# EAGLE board working (EAGLE 6.6.0), part 2 of 2 (continued)
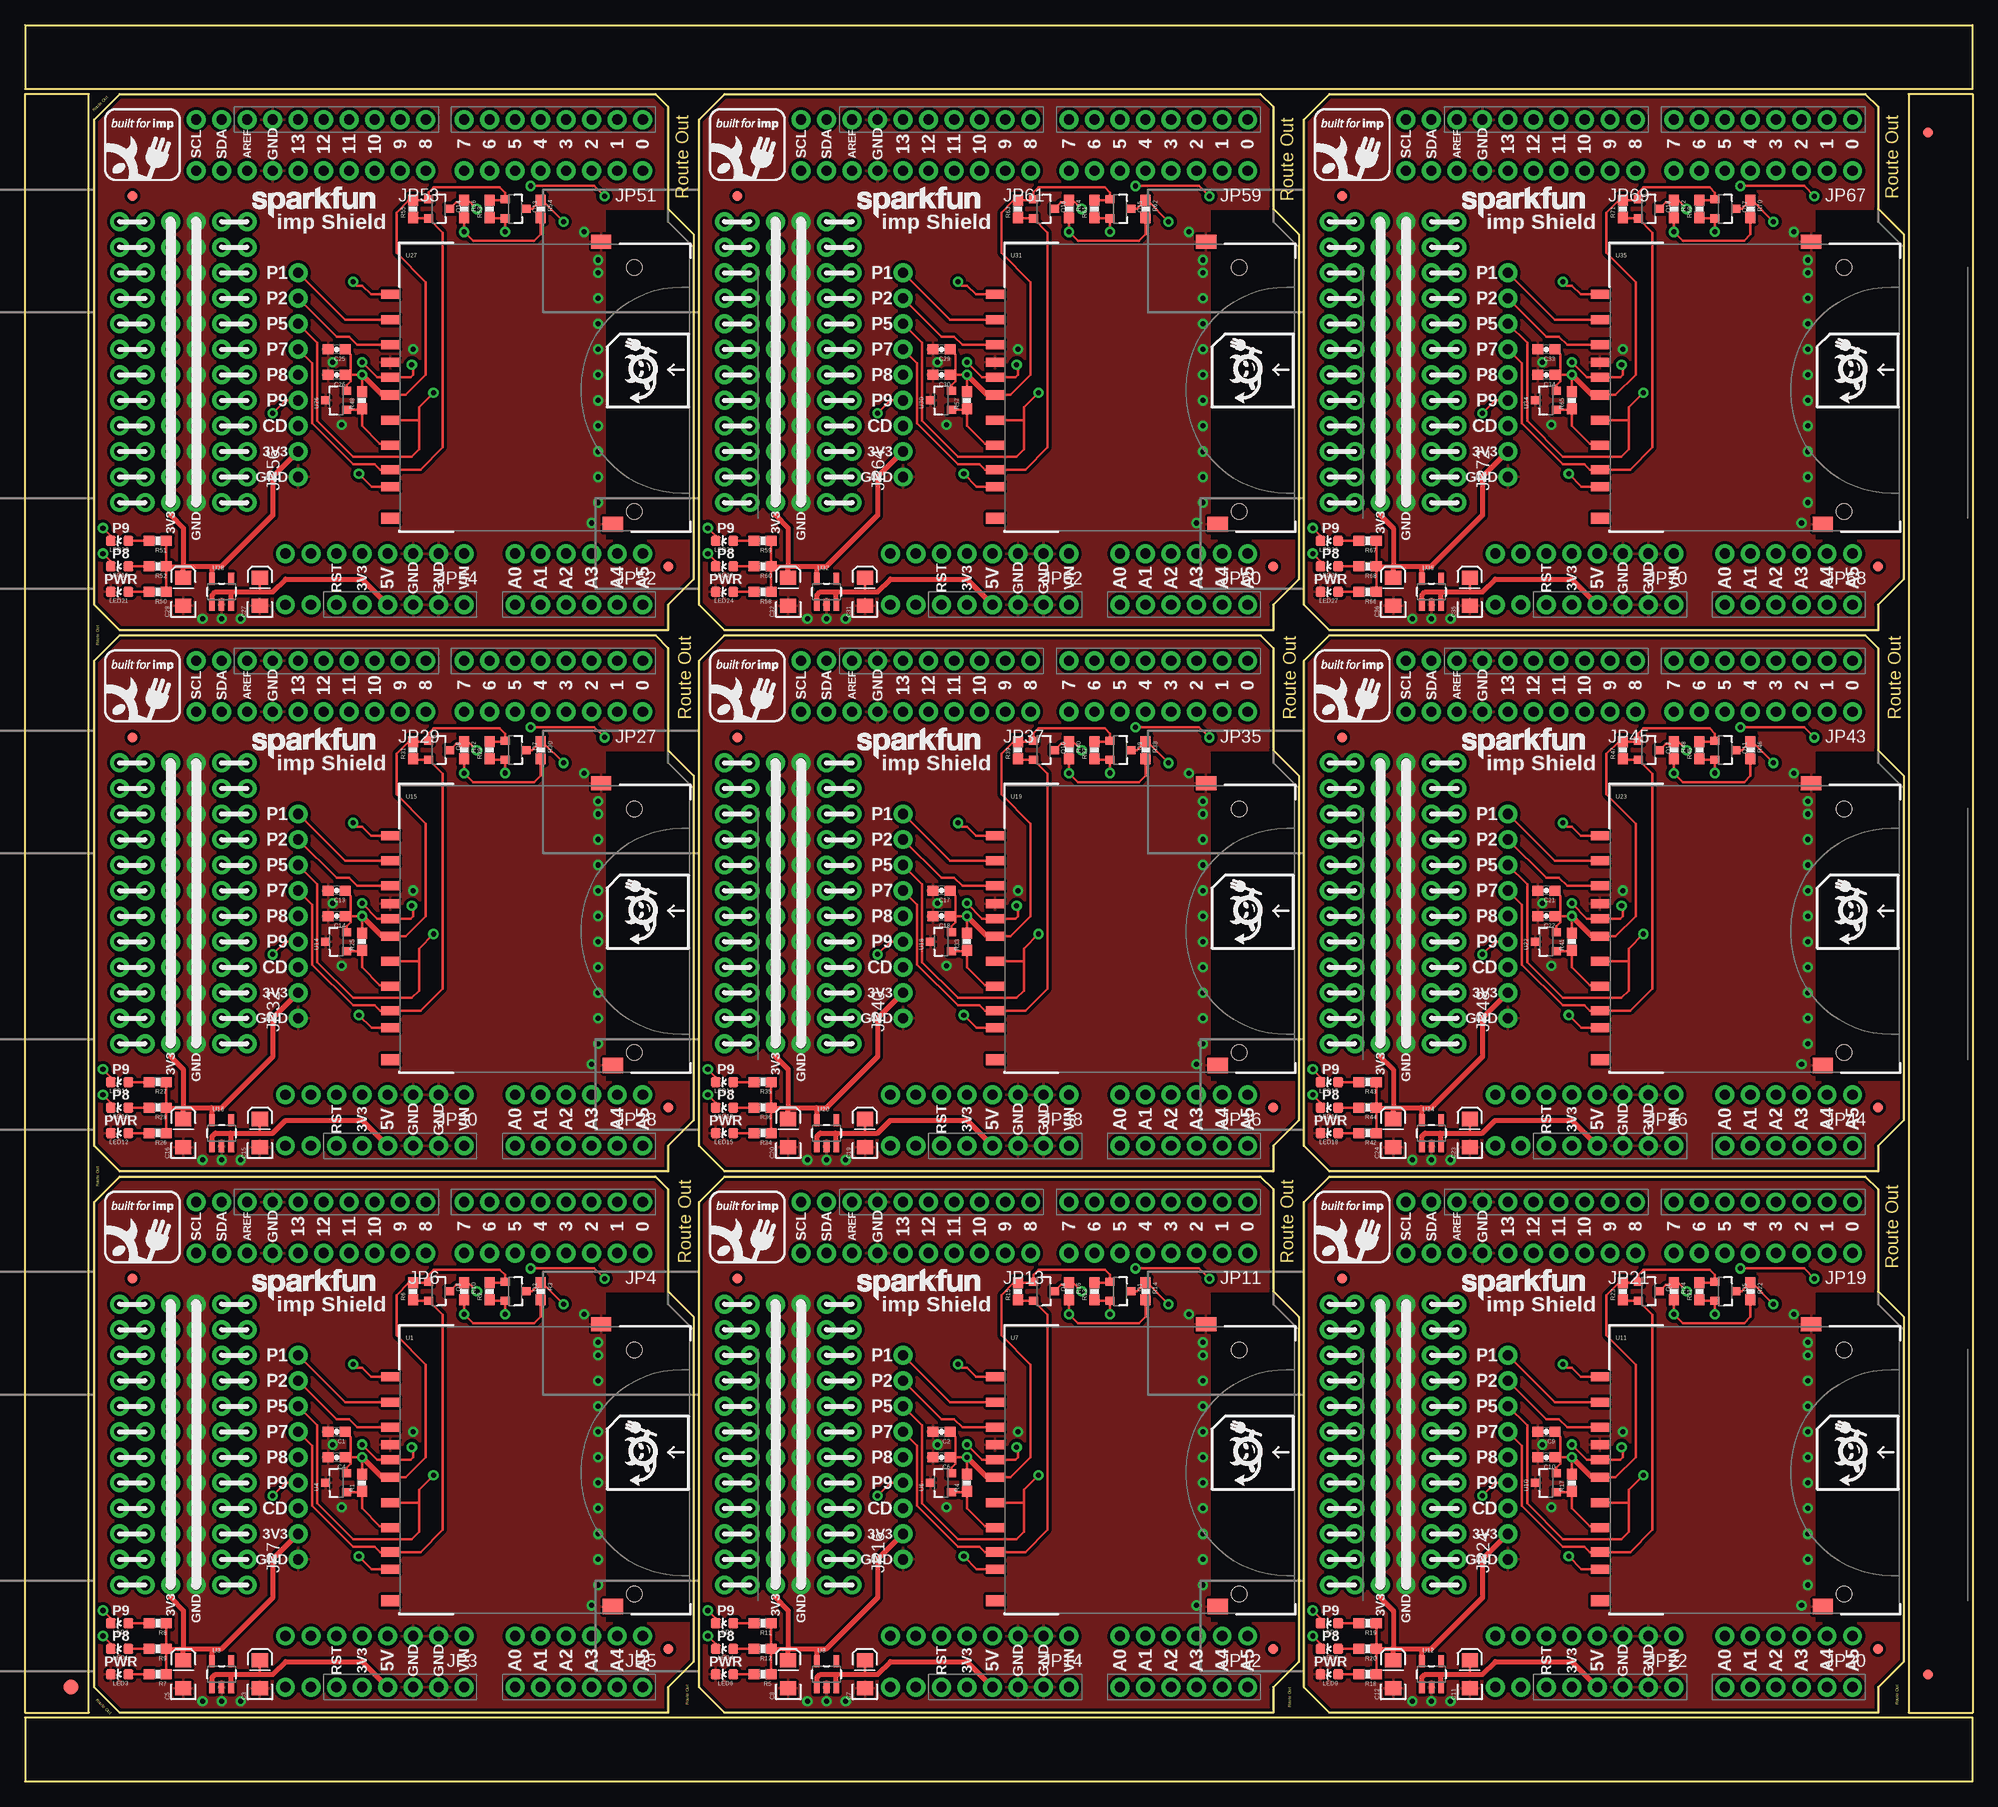
[diagram p0: board, top side]
## Tracks (layer width: path | path; a pad name or v marks a point on that pad's centre or on a via) (continued)
N$178  (via drill 1.02 pad 1.88)
  Bottom 0.254: v132.33,83.57 v129.79,83.57
N$179  (via drill 1.02 pad 1.88)
  Bottom 0.254: v139.95,86.11 v142.49,86.11
N$180  (via drill 1.02 pad 1.88)
  Bottom 0.254: v132.33,86.11 v129.79,86.11
N$181  (via drill 1.02 pad 1.88)
  Bottom 0.254: v142.49,88.65 v139.95,88.65
N$182  (via drill 1.02 pad 1.88)
  Bottom 0.254: v132.33,88.65 v129.79,88.65
N$183  (via drill 1.02 pad 1.88)
  Bottom 0.254: v139.95,91.19 v142.49,91.19
N$184  (via drill 1.02 pad 1.88)
  Bottom 0.254: v132.33,91.19 v129.79,91.19
N$185  (via drill 1.02 pad 1.88)
  Bottom 0.254: v139.95,93.73 v142.49,93.73
N$186  (via drill 1.02 pad 1.88)
  Bottom 0.254: v132.33,93.73 v129.79,93.73
N$187  (via drill 1.02 pad 1.88)
  Bottom 0.254: v139.95,96.27 v142.49,96.27
N$188  (via drill 1.02 pad 1.88)
  Bottom 0.254: v132.33,96.27 v129.79,96.27
N$189  (via drill 1.02 pad 1.88)
  Bottom 0.254: v132.33,98.81 v129.79,98.81
N$190  (via drill 1.02 pad 1.88)
  Bottom 0.254: v139.95,98.81 v142.49,98.81
N$191
  Bottom 0.254: 175.51,103.89 174.62,103.89
N$192
  Bottom 0.254: 180.59,103.89 179.71,103.89
N$193
  Top 0.254: U27.6 36.2,133.1 35.31,133.1 33.53,134.87 R49.1 33.43,136.46 U26.1
N$194
  Bottom 0.406: JP50.2 JP54.8
N$195
  Bottom 0.406: JP50.1 JP54.7
N$196  (via drill 1.02 pad 1.88)
  Bottom 0.254: v19.56,127.25 v22.1,127.25
N$197  (via drill 1.02 pad 1.88)
  Bottom 0.254: v11.94,127.25 v9.4,127.25
N$198
  Top 0.254: R50.2 LED21.A
N$199
  Top 0.254: R51.2 LED20.A
N$200
  Top 0.254: R52.2 LED19.A
N$201  (via drill 1.02 pad 1.88)
  Bottom 0.254: v11.94,155.19 v9.4,155.19
N$202  (via drill 1.02 pad 1.88)
  Bottom 0.254: v19.56,155.19 v22.1,155.19
N$203  (via drill 1.02 pad 1.88)
  Bottom 0.254: v19.56,129.79 v22.1,129.79
N$204  (via drill 1.02 pad 1.88)
  Bottom 0.254: v11.94,129.79 v9.4,129.79
N$205  (via drill 1.02 pad 1.88)
  Bottom 0.254: v19.56,132.33 v22.1,132.33
N$206  (via drill 1.02 pad 1.88)
  Bottom 0.254: v11.94,132.33 v9.4,132.33
N$207  (via drill 1.02 pad 1.88)
  Bottom 0.254: v19.56,134.87 v22.1,134.87
N$208  (via drill 1.02 pad 1.88)
  Bottom 0.254: v11.94,134.87 v9.4,134.87
N$209  (via drill 1.02 pad 1.88)
  Bottom 0.254: v19.56,137.41 v22.1,137.41
N$210  (via drill 1.02 pad 1.88)
  Bottom 0.254: v11.94,137.41 v9.4,137.41
N$211  (via drill 1.02 pad 1.88)
  Bottom 0.254: v19.56,139.95 v22.1,139.95
N$212  (via drill 1.02 pad 1.88)
  Bottom 0.254: v11.94,139.95 v9.4,139.95
N$213  (via drill 1.02 pad 1.88)
  Bottom 0.254: v22.1,142.49 v19.56,142.49
N$214  (via drill 1.02 pad 1.88)
  Bottom 0.254: v11.94,142.49 v9.4,142.49
N$215  (via drill 1.02 pad 1.88)
  Bottom 0.254: v19.56,145.03 v22.1,145.03
N$216  (via drill 1.02 pad 1.88)
  Bottom 0.254: v11.94,145.03 v9.4,145.03
N$217  (via drill 1.02 pad 1.88)
  Bottom 0.254: v19.56,147.57 v22.1,147.57
N$218  (via drill 1.02 pad 1.88)
  Bottom 0.254: v11.94,147.57 v9.4,147.57
N$219  (via drill 1.02 pad 1.88)
  Bottom 0.254: v19.56,150.11 v22.1,150.11
N$220  (via drill 1.02 pad 1.88)
  Bottom 0.254: v11.94,150.11 v9.4,150.11
N$221  (via drill 1.02 pad 1.88)
  Bottom 0.254: v11.94,152.65 v9.4,152.65
N$222  (via drill 1.02 pad 1.88)
  Bottom 0.254: v19.56,152.65 v22.1,152.65
N$223
  Bottom 0.254: 55.12,157.73 54.23,157.73
N$224
  Bottom 0.254: 60.2,157.73 59.31,157.73
N$225
  Top 0.254: U31.6 96.39,133.1 95.5,133.1 93.73,134.87 R57.1 93.63,136.46 U30.1
N$226
  Bottom 0.406: JP58.2 JP62.8
N$227
  Bottom 0.406: JP58.1 JP62.7
N$228  (via drill 1.02 pad 1.88)
  Bottom 0.254: v79.76,127.25 v82.3,127.25
N$229  (via drill 1.02 pad 1.88)
  Bottom 0.254: v72.14,127.25 v69.6,127.25
N$230
  Top 0.254: R58.2 LED24.A
N$231
  Top 0.254: R59.2 LED23.A
N$232
  Top 0.254: R60.2 LED22.A
N$233  (via drill 1.02 pad 1.88)
  Bottom 0.254: v72.14,155.19 v69.6,155.19
N$234  (via drill 1.02 pad 1.88)
  Bottom 0.254: v79.76,155.19 v82.3,155.19
N$235  (via drill 1.02 pad 1.88)
  Bottom 0.254: v79.76,129.79 v82.3,129.79
N$236  (via drill 1.02 pad 1.88)
  Bottom 0.254: v72.14,129.79 v69.6,129.79
N$237  (via drill 1.02 pad 1.88)
  Bottom 0.254: v79.76,132.33 v82.3,132.33
N$238  (via drill 1.02 pad 1.88)
  Bottom 0.254: v72.14,132.33 v69.6,132.33
N$239  (via drill 1.02 pad 1.88)
  Bottom 0.254: v79.76,134.87 v82.3,134.87
N$240  (via drill 1.02 pad 1.88)
  Bottom 0.254: v72.14,134.87 v69.6,134.87
N$241  (via drill 1.02 pad 1.88)
  Bottom 0.254: v79.76,137.41 v82.3,137.41
N$242  (via drill 1.02 pad 1.88)
  Bottom 0.254: v72.14,137.41 v69.6,137.41
N$243  (via drill 1.02 pad 1.88)
  Bottom 0.254: v79.76,139.95 v82.3,139.95
N$244  (via drill 1.02 pad 1.88)
  Bottom 0.254: v72.14,139.95 v69.6,139.95
N$245  (via drill 1.02 pad 1.88)
  Bottom 0.254: v82.3,142.49 v79.76,142.49
N$246  (via drill 1.02 pad 1.88)
  Bottom 0.254: v72.14,142.49 v69.6,142.49
N$247  (via drill 1.02 pad 1.88)
  Bottom 0.254: v79.76,145.03 v82.3,145.03
N$248  (via drill 1.02 pad 1.88)
  Bottom 0.254: v72.14,145.03 v69.6,145.03
N$249  (via drill 1.02 pad 1.88)
  Bottom 0.254: v79.76,147.57 v82.3,147.57
N$250  (via drill 1.02 pad 1.88)
  Bottom 0.254: v72.14,147.57 v69.6,147.57
N$251  (via drill 1.02 pad 1.88)
  Bottom 0.254: v79.76,150.11 v82.3,150.11
N$252  (via drill 1.02 pad 1.88)
  Bottom 0.254: v72.14,150.11 v69.6,150.11
N$253  (via drill 1.02 pad 1.88)
  Bottom 0.254: v72.14,152.65 v69.6,152.65
N$254  (via drill 1.02 pad 1.88)
  Bottom 0.254: v79.76,152.65 v82.3,152.65
N$255
  Bottom 0.254: 115.32,157.73 114.43,157.73
N$256
  Bottom 0.254: 120.4,157.73 119.51,157.73
N$257
  Top 0.254: U35.6 156.59,133.1 155.7,133.1 153.92,134.87 R65.1 153.82,136.46 U34.1
N$258
  Bottom 0.406: JP66.2 JP70.8
N$259
  Bottom 0.406: JP66.1 JP70.7
N$260  (via drill 1.02 pad 1.88)
  Bottom 0.254: v139.95,127.25 v142.49,127.25
N$261  (via drill 1.02 pad 1.88)
  Bottom 0.254: v132.33,127.25 v129.79,127.25
N$262
  Top 0.254: R66.2 LED27.A
N$263
  Top 0.254: R67.2 LED26.A
N$264
  Top 0.254: R68.2 LED25.A
N$265  (via drill 1.02 pad 1.88)
  Bottom 0.254: v132.33,155.19 v129.79,155.19
N$266  (via drill 1.02 pad 1.88)
  Bottom 0.254: v139.95,155.19 v142.49,155.19
N$267  (via drill 1.02 pad 1.88)
  Bottom 0.254: v139.95,129.79 v142.49,129.79
N$268  (via drill 1.02 pad 1.88)
  Bottom 0.254: v132.33,129.79 v129.79,129.79
N$269  (via drill 1.02 pad 1.88)
  Bottom 0.254: v139.95,132.33 v142.49,132.33
N$270  (via drill 1.02 pad 1.88)
  Bottom 0.254: v132.33,132.33 v129.79,132.33
N$271  (via drill 1.02 pad 1.88)
  Bottom 0.254: v139.95,134.87 v142.49,134.87
N$272  (via drill 1.02 pad 1.88)
  Bottom 0.254: v132.33,134.87 v129.79,134.87
N$273  (via drill 1.02 pad 1.88)
  Bottom 0.254: v139.95,137.41 v142.49,137.41
N$274  (via drill 1.02 pad 1.88)
  Bottom 0.254: v132.33,137.41 v129.79,137.41
N$275  (via drill 1.02 pad 1.88)
  Bottom 0.254: v139.95,139.95 v142.49,139.95
N$276  (via drill 1.02 pad 1.88)
  Bottom 0.254: v132.33,139.95 v129.79,139.95
N$277  (via drill 1.02 pad 1.88)
  Bottom 0.254: v142.49,142.49 v139.95,142.49
N$278  (via drill 1.02 pad 1.88)
  Bottom 0.254: v132.33,142.49 v129.79,142.49
N$279  (via drill 1.02 pad 1.88)
  Bottom 0.254: v139.95,145.03 v142.49,145.03
N$280  (via drill 1.02 pad 1.88)
  Bottom 0.254: v132.33,145.03 v129.79,145.03
N$281  (via drill 1.02 pad 1.88)
  Bottom 0.254: v139.95,147.57 v142.49,147.57
N$282  (via drill 1.02 pad 1.88)
  Bottom 0.254: v132.33,147.57 v129.79,147.57
N$283  (via drill 1.02 pad 1.88)
  Bottom 0.254: v139.95,150.11 v142.49,150.11
N$284  (via drill 1.02 pad 1.88)
  Bottom 0.254: v132.33,150.11 v129.79,150.11
N$285  (via drill 1.02 pad 1.88)
  Bottom 0.254: v132.33,152.65 v129.79,152.65
N$286  (via drill 1.02 pad 1.88)
  Bottom 0.254: v139.95,152.65 v142.49,152.65
N$287
  Bottom 0.254: 175.51,157.73 174.62,157.73
N$288
  Bottom 0.254: 180.59,157.73 179.71,157.73
PIN1
  Top 0.254: JP7.9 31.84,37.76 U1.1
PIN2
  Top 0.254: JP7.8 30.99,36.07 32.26,36.07 33.07,35.26 U1.2
PIN3
  Top 0.254: JP16.9 92.04,37.76 U7.1
PIN4  (via drill 0.51)
  Top 0.254: U7.8 94.69,21.14 v93.42,22.41
  Bottom 0.254: SJ9.1 81.53,13.21 86.11,17.78 86.11,23.37 | 86.11,23.37 86.11,30.99 JP16.5 | v93.42,22.41 92.46,23.37 86.11,23.37
PIN5  (via drill 0.51)
  Top 0.254: v47.77,46.5 Q2.2 46.33,47.82 R2.1 | 39.19,27.81 39.19,29.03 v40.64,30.48 | JP7.7 29.08,35.43 29.08,27.69 32.64,24.13 38.48,24.13 39.19,24.84 39.19,27.81 | U1.5 39.13,27.76 39.19,27.81
  Bottom 0.254: v40.64,30.48 47.77,37.61 v47.77,46.5
PIN6  (via drill 0.51)
  Top 0.254: JP16.4 86.11,29.72 v84.84,28.45 | U7.9 94.62,40.26 93.73,41.15 93.22,41.15 v92.84,41.53
  Bottom 0.254: JP16.4 89.28,31.62 89.28,37.97 v92.84,41.53 | v84.84,28.45 84.84,19.56 81.03,15.75 SJ10.1
PIN7
  Top 0.254: JP7.6 28.57,33.4 28.57,27.43 32.64,23.37 34.8,23.37 35.33,22.84 U1.7 39.35,22.84 41.55,25.04 41.55,46.42 Q3.2 38.71,47.82 R6.1
PIN8  (via drill 0.51)
  Top 0.254: U1.8 34.49,21.14 v33.22,22.41
  Bottom 0.254: SJ4.1 21.34,13.21 25.91,17.78 25.91,23.37 | 25.91,23.37 25.91,30.99 JP7.5 | v33.22,22.41 32.26,23.37 25.91,23.37
PIN9  (via drill 0.51)
  Top 0.254: JP7.4 25.91,29.72 v24.64,28.45 | U1.9 34.42,40.26 33.53,41.15 33.02,41.15 v32.64,41.53
  Bottom 0.254: JP7.4 29.08,31.62 29.08,37.97 v32.64,41.53 | v24.64,28.45 24.64,19.56 20.83,15.75 SJ5.1
PIN10
  Top 0.254: JP16.8 91.19,36.07 92.46,36.07 93.27,35.26 U7.2
PIN11  (via drill 0.51)
  Top 0.254: v107.97,46.5 Q1.2 106.53,47.82 R13.1 | 99.39,27.81 99.39,29.03 v100.84,30.48 | JP16.7 89.28,35.43 89.28,27.69 92.84,24.13 98.68,24.13 99.39,24.84 99.39,27.81 | U7.5 99.33,27.76 99.39,27.81
  Bottom 0.254: v100.84,30.48 107.97,37.61 v107.97,46.5
PIN12
  Top 0.254: JP16.6 88.77,33.4 88.77,27.43 92.84,23.37 95,23.37 95.53,22.84 U7.7 99.55,22.84 101.74,25.04 101.74,46.42 Q4.2 98.91,47.82 R15.1
PIN13
  Top 0.254: JP24.9 152.23,37.76 U11.1
PIN14  (via drill 0.51)
  Top 0.254: U11.8 154.88,21.14 v153.61,22.41
  Bottom 0.254: SJ14.1 141.73,13.21 146.3,17.78 146.3,23.37 | 146.3,23.37 146.3,30.99 JP24.5 | v153.61,22.41 152.65,23.37 146.3,23.37
PIN15  (via drill 0.51)
  Top 0.254: JP24.4 146.3,29.72 v145.03,28.45 | U11.9 154.81,40.26 153.92,41.15 153.41,41.15 v153.03,41.53
  Bottom 0.254: JP24.4 149.48,31.62 149.48,37.97 v153.03,41.53 | v145.03,28.45 145.03,19.56 141.22,15.75 SJ15.1
PIN16
  Top 0.254: JP24.8 151.38,36.07 152.65,36.07 153.46,35.26 U11.2
PIN17  (via drill 0.51)
  Top 0.254: v168.16,46.5 Q5.2 166.72,47.82 R21.1 | 159.58,27.81 159.58,29.03 v161.04,30.48 | JP24.7 149.48,35.43 149.48,27.69 153.03,24.13 158.88,24.13 159.58,24.84 159.58,27.81 | U11.5 159.53,27.76 159.58,27.81
  Bottom 0.254: v161.04,30.48 168.16,37.61 v168.16,46.5
PIN18
  Top 0.254: JP24.6 148.97,33.4 148.97,27.43 153.03,23.37 155.19,23.37 155.72,22.84 U11.7 159.74,22.84 161.94,25.04 161.94,46.42 Q6.2 159.1,47.82 R23.1
PIN19
  Top 0.254: JP32.9 31.84,91.61 U15.1
PIN20  (via drill 0.51)
  Top 0.254: U15.8 34.49,74.99 v33.22,76.26
  Bottom 0.254: SJ19.1 21.34,67.06 25.91,71.63 25.91,77.22 | 25.91,77.22 25.91,84.84 JP32.5 | v33.22,76.26 32.26,77.22 25.91,77.22
PIN21  (via drill 0.51)
  Top 0.254: JP32.4 25.91,83.57 v24.64,82.3 | U15.9 34.42,94.11 33.53,95 33.02,95 v32.64,95.38
  Bottom 0.254: JP32.4 29.08,85.47 29.08,91.82 v32.64,95.38 | v24.64,82.3 24.64,73.41 20.83,69.6 SJ20.1
PIN22
  Top 0.254: JP32.8 30.99,89.92 32.26,89.92 33.07,89.11 U15.2
PIN23  (via drill 0.51)
  Top 0.254: v47.77,100.35 Q7.2 46.33,101.67 R29.1 | 39.19,81.66 39.19,82.88 v40.64,84.33 | JP32.7 29.08,89.28 29.08,81.53 32.64,77.98 38.48,77.98 39.19,78.69 39.19,81.66 | U15.5 39.13,81.61 39.19,81.66
  Bottom 0.254: v40.64,84.33 47.77,91.46 v47.77,100.35
PIN24
  Top 0.254: JP32.6 28.57,87.25 28.57,81.28 32.64,77.22 34.8,77.22 35.33,76.69 U15.7 39.35,76.69 41.55,78.88 41.55,100.27 Q8.2 38.71,101.67 R31.1
PIN25
  Top 0.254: JP40.9 92.04,91.61 U19.1
PIN26  (via drill 0.51)
  Top 0.254: U19.8 94.69,74.99 v93.42,76.26
  Bottom 0.254: SJ24.1 81.53,67.06 86.11,71.63 86.11,77.22 | 86.11,77.22 86.11,84.84 JP40.5 | v93.42,76.26 92.46,77.22 86.11,77.22
PIN27  (via drill 0.51)
  Top 0.254: JP40.4 86.11,83.57 v84.84,82.3 | U19.9 94.62,94.11 93.73,95 93.22,95 v92.84,95.38
  Bottom 0.254: JP40.4 89.28,85.47 89.28,91.82 v92.84,95.38 | v84.84,82.3 84.84,73.41 81.03,69.6 SJ25.1
PIN28
  Top 0.254: JP40.8 91.19,89.92 92.46,89.92 93.27,89.11 U19.2
PIN29  (via drill 0.51)
  Top 0.254: v107.97,100.35 Q9.2 106.53,101.67 R37.1 | 99.39,81.66 99.39,82.88 v100.84,84.33 | JP40.7 89.28,89.28 89.28,81.53 92.84,77.98 98.68,77.98 99.39,78.69 99.39,81.66 | U19.5 99.33,81.61 99.39,81.66
  Bottom 0.254: v100.84,84.33 107.97,91.46 v107.97,100.35
PIN30
  Top 0.254: JP40.6 88.77,87.25 88.77,81.28 92.84,77.22 95,77.22 95.53,76.69 U19.7 99.55,76.69 101.74,78.88 101.74,100.27 Q10.2 98.91,101.67 R39.1
PIN31
  Top 0.254: JP48.9 152.23,91.61 U23.1
PIN32  (via drill 0.51)
  Top 0.254: U23.8 154.88,74.99 v153.61,76.26
  Bottom 0.254: SJ29.1 141.73,67.06 146.3,71.63 146.3,77.22 | 146.3,77.22 146.3,84.84 JP48.5 | v153.61,76.26 152.65,77.22 146.3,77.22
PIN33  (via drill 0.51)
  Top 0.254: JP48.4 146.3,83.57 v145.03,82.3 | U23.9 154.81,94.11 153.92,95 153.41,95 v153.03,95.38
  Bottom 0.254: JP48.4 149.48,85.47 149.48,91.82 v153.03,95.38 | v145.03,82.3 145.03,73.41 141.22,69.6 SJ30.1
PIN34
  Top 0.254: JP48.8 151.38,89.92 152.65,89.92 153.46,89.11 U23.2
PIN35  (via drill 0.51)
  Top 0.254: v168.16,100.35 Q11.2 166.72,101.67 R45.1 | 159.58,81.66 159.58,82.88 v161.04,84.33 | JP48.7 149.48,89.28 149.48,81.53 153.03,77.98 158.88,77.98 159.58,78.69 159.58,81.66 | U23.5 159.53,81.61 159.58,81.66
  Bottom 0.254: v161.04,84.33 168.16,91.46 v168.16,100.35
PIN36
  Top 0.254: JP48.6 148.97,87.25 148.97,81.28 153.03,77.22 155.19,77.22 155.72,76.69 U23.7 159.74,76.69 161.94,78.88 161.94,100.27 Q12.2 159.1,101.67 R47.1
PIN37
  Top 0.254: JP56.9 31.84,145.45 U27.1
PIN38  (via drill 0.51)
  Top 0.254: U27.8 34.49,128.83 v33.22,130.1
  Bottom 0.254: SJ34.1 21.34,120.9 25.91,125.48 25.91,131.06 | 25.91,131.06 25.91,138.68 JP56.5 | v33.22,130.1 32.26,131.06 25.91,131.06
PIN39  (via drill 0.51)
  Top 0.254: JP56.4 25.91,137.41 v24.64,136.14 | U27.9 34.42,147.95 33.53,148.84 33.02,148.84 v32.64,149.22
  Bottom 0.254: JP56.4 29.08,139.32 29.08,145.67 v32.64,149.22 | v24.64,136.14 24.64,127.25 20.83,123.44 SJ35.1
PIN40
  Top 0.254: JP56.8 30.99,143.76 32.26,143.76 33.07,142.95 U27.2
PIN41  (via drill 0.51)
  Top 0.254: v47.77,154.19 Q13.2 46.33,155.51 R53.1 | 39.19,135.51 39.19,136.72 v40.64,138.18 | JP56.7 29.08,143.13 29.08,135.38 32.64,131.83 38.48,131.83 39.19,132.53 39.19,135.51 | U27.5 39.13,135.45 39.19,135.51
  Bottom 0.254: v40.64,138.18 47.77,145.3 v47.77,154.19
PIN42
  Top 0.254: JP56.6 28.57,141.1 28.57,135.13 32.64,131.06 34.8,131.06 35.33,130.53 U27.7 39.35,130.53 41.55,132.73 41.55,154.12 Q14.2 38.71,155.51 R55.1
PIN43
  Top 0.254: JP64.9 92.04,145.45 U31.1
PIN44  (via drill 0.51)
  Top 0.254: U31.8 94.69,128.83 v93.42,130.1
  Bottom 0.254: SJ39.1 81.53,120.9 86.11,125.48 86.11,131.06 | 86.11,131.06 86.11,138.68 JP64.5 | v93.42,130.1 92.46,131.06 86.11,131.06
PIN45  (via drill 0.51)
  Top 0.254: JP64.4 86.11,137.41 v84.84,136.14 | U31.9 94.62,147.95 93.73,148.84 93.22,148.84 v92.84,149.22
  Bottom 0.254: JP64.4 89.28,139.32 89.28,145.67 v92.84,149.22 | v84.84,136.14 84.84,127.25 81.03,123.44 SJ40.1
PIN46
  Top 0.254: JP64.8 91.19,143.76 92.46,143.76 93.27,142.95 U31.2
PIN47  (via drill 0.51)
  Top 0.254: v107.97,154.19 Q15.2 106.53,155.51 R61.1 | 99.39,135.51 99.39,136.72 v100.84,138.18 | JP64.7 89.28,143.13 89.28,135.38 92.84,131.83 98.68,131.83 99.39,132.53 99.39,135.51 | U31.5 99.33,135.45 99.39,135.51
  Bottom 0.254: v100.84,138.18 107.97,145.3 v107.97,154.19
PIN48
  Top 0.254: JP64.6 88.77,141.1 88.77,135.13 92.84,131.06 95,131.06 95.53,130.53 U31.7 99.55,130.53 101.74,132.73 101.74,154.12 Q16.2 98.91,155.51 R63.1
PIN49
  Top 0.254: JP72.9 152.23,145.45 U35.1
PIN50  (via drill 0.51)
  Top 0.254: U35.8 154.88,128.83 v153.61,130.1
  Bottom 0.254: SJ44.1 141.73,120.9 146.3,125.48 146.3,131.06 | 146.3,131.06 146.3,138.68 JP72.5 | v153.61,130.1 152.65,131.06 146.3,131.06
PIN51  (via drill 0.51)
  Top 0.254: JP72.4 146.3,137.41 v145.03,136.14 | U35.9 154.81,147.95 153.92,148.84 153.41,148.84 v153.03,149.22
  Bottom 0.254: JP72.4 149.48,139.32 149.48,145.67 v153.03,149.22 | v145.03,136.14 145.03,127.25 141.22,123.44 SJ45.1
PIN52
  Top 0.254: JP72.8 151.38,143.76 152.65,143.76 153.46,142.95 U35.2
PIN53  (via drill 0.51)
  Top 0.254: v168.16,154.19 Q17.2 166.72,155.51 R69.1 | 159.58,135.51 159.58,136.72 v161.04,138.18 | JP72.7 149.48,143.13 149.48,135.38 153.03,131.83 158.88,131.83 159.58,132.53 159.58,135.51 | U35.5 159.53,135.45 159.58,135.51
  Bottom 0.254: v161.04,138.18 168.16,145.3 v168.16,154.19
PIN54
  Top 0.254: JP72.6 148.97,141.1 148.97,135.13 153.03,131.06 155.19,131.06 155.72,130.53 U35.7 159.74,130.53 161.94,132.73 161.94,154.12 Q18.2 159.1,155.51 R71.1
RESET
  Bottom 0.406: U2.RES JP3.6
RESET1
  Bottom 0.406: U5.RES JP14.6
RESET2
  Bottom 0.406: U9.RES JP22.6
RESET3
  Bottom 0.406: U13.RES JP30.6
RESET4
  Bottom 0.406: U17.RES JP38.6
RESET5
  Bottom 0.406: U21.RES JP46.6
RESET6
  Bottom 0.406: U25.RES JP54.6
RESET7
  Bottom 0.406: U29.RES JP62.6
RESET8
  Bottom 0.406: U33.RES JP70.6
RX  (via drill 0.51)
  Top 0.254: Q2.3 50.46,48.77 R3.1 51.47,49.62 v53.59,47.5
  Bottom 0.254: SJ1.2 60.2,49.02 59.94,48.77 56.77,48.77 55.5,47.5 v53.59,47.5
RX1  (via drill 0.51)
  Top 0.254: Q1.3 110.66,48.77 R14.1 111.67,49.62 v113.79,47.5
  Bottom 0.254: SJ6.2 120.4,49.02 120.14,48.77 116.97,48.77 115.7,47.5 v113.79,47.5
RX2  (via drill 0.51)
  Top 0.254: Q5.3 170.85,48.77 R22.1 171.87,49.62 v173.99,47.5
  Bottom 0.254: SJ11.2 180.59,49.02 180.34,48.77 177.16,48.77 175.9,47.5 v173.99,47.5
RX3  (via drill 0.51)
  Top 0.254: Q7.3 50.46,102.62 R30.1 51.47,103.47 v53.59,101.35
  Bottom 0.254: SJ16.2 60.2,102.87 59.94,102.62 56.77,102.62 55.5,101.35 v53.59,101.35
RX4  (via drill 0.51)
  Top 0.254: Q9.3 110.66,102.62 R38.1 111.67,103.47 v113.79,101.35
  Bottom 0.254: SJ21.2 120.4,102.87 120.14,102.62 116.97,102.62 115.7,101.35 v113.79,101.35
RX5  (via drill 0.51)
  Top 0.254: Q11.3 170.85,102.62 R46.1 171.87,103.47 v173.99,101.35
  Bottom 0.254: SJ26.2 180.59,102.87 180.34,102.62 177.16,102.62 175.9,101.35 v173.99,101.35
RX6  (via drill 0.51)
  Top 0.254: Q13.3 50.46,156.46 R54.1 51.47,157.31 v53.59,155.19
  Bottom 0.254: SJ31.2 60.2,156.72 59.94,156.46 56.77,156.46 55.5,155.19 v53.59,155.19
RX7  (via drill 0.51)
  Top 0.254: Q15.3 110.66,156.46 R62.1 111.67,157.31 v113.79,155.19
  Bottom 0.254: SJ36.2 120.4,156.72 120.14,156.46 116.97,156.46 115.7,155.19 v113.79,155.19
RX8  (via drill 0.51)
  Top 0.254: Q17.3 170.85,156.46 R70.1 171.87,157.31 v173.99,155.19
  Bottom 0.254: SJ41.2 180.59,156.72 180.34,156.46 177.16,156.46 175.9,155.19 v173.99,155.19
SCL
  Bottom 0.406: JP6.10 JP1.1
SCL1
  Bottom 0.406: JP13.10 JP8.1
SCL2
  Bottom 0.406: JP21.10 JP17.1
SCL3
  Bottom 0.406: JP29.10 JP25.1
SCL4
  Bottom 0.406: JP37.10 JP33.1
SCL5
  Bottom 0.406: JP45.10 JP41.1
SCL6
  Bottom 0.406: JP53.10 JP49.1
SCL7
  Bottom 0.406: JP61.10 JP57.1
SCL8
  Bottom 0.406: JP69.10 JP65.1
SDA
  Bottom 0.406: JP6.9 JP1.2
SDA1
  Bottom 0.406: JP13.9 JP8.2
SDA2
  Bottom 0.406: JP21.9 JP17.2
SDA3
  Bottom 0.406: JP29.9 JP25.2
SDA4
  Bottom 0.406: JP37.9 JP33.2
SDA5
  Bottom 0.406: JP45.9 JP41.2
SDA6
  Bottom 0.406: JP53.9 JP49.2
SDA7
  Bottom 0.406: JP61.9 JP57.2
SDA8
  Bottom 0.406: JP69.9 JP65.2
TX  (via drill 0.51)
  Top 0.254: 42.55,48.77 Q3.3 42.9,49.42 43.49,49.42 R10.1 44.11,49.62 v44.96,48.77
  Bottom 0.254: SJ2.2 55.12,49.15 54.74,48.77 v44.96,48.77
TX1  (via drill 0.51)
  Top 0.254: 102.74,48.77 Q4.3 103.1,49.42 103.69,49.42 R16.1 104.31,49.62 v105.16,48.77
  Bottom 0.254: SJ7.2 115.32,49.15 114.94,48.77 v105.16,48.77
TX2  (via drill 0.51)
  Top 0.254: 162.94,48.77 Q6.3 163.29,49.42 163.88,49.42 R24.1 164.5,49.62 v165.35,48.77
  Bottom 0.254: SJ12.2 175.51,49.15 175.13,48.77 v165.35,48.77
TX3  (via drill 0.51)
  Top 0.254: 42.55,102.62 Q8.3 42.9,103.27 43.49,103.27 R32.1 44.11,103.47 v44.96,102.62
  Bottom 0.254: SJ17.2 55.12,103 54.74,102.62 v44.96,102.62
TX4  (via drill 0.51)
  Top 0.254: 102.74,102.62 Q10.3 103.1,103.27 103.69,103.27 R40.1 104.31,103.47 v105.16,102.62
  Bottom 0.254: SJ22.2 115.32,103 114.94,102.62 v105.16,102.62
TX5  (via drill 0.51)
  Top 0.254: 162.94,102.62 Q12.3 163.29,103.27 163.88,103.27 R48.1 164.5,103.47 v165.35,102.62
  Bottom 0.254: SJ27.2 175.51,103 175.13,102.62 v165.35,102.62
TX6  (via drill 0.51)
  Top 0.254: 42.55,156.46 Q14.3 42.9,157.11 43.49,157.11 R56.1 44.11,157.31 v44.96,156.46
  Bottom 0.254: SJ32.2 55.12,156.84 54.74,156.46 v44.96,156.46
TX7  (via drill 0.51)
  Top 0.254: 102.74,156.46 Q16.3 103.1,157.11 103.69,157.11 R64.1 104.31,157.31 v105.16,156.46
  Bottom 0.254: SJ37.2 115.32,156.84 114.94,156.46 v105.16,156.46
TX8  (via drill 0.51)
  Top 0.254: 162.94,156.46 Q18.3 163.29,157.11 163.88,157.11 R72.1 164.5,157.31 v165.35,156.46
  Bottom 0.254: SJ42.2 175.51,156.84 175.13,156.46 v165.35,156.46
VIN
  Bottom 0.406: U2.VIN JP3.1
VIN1
  Bottom 0.406: U5.VIN JP14.1
VIN2
  Bottom 0.406: U9.VIN JP22.1
VIN3
  Bottom 0.406: U13.VIN JP30.1
VIN4
  Bottom 0.406: U17.VIN JP38.1
VIN5
  Bottom 0.406: U21.VIN JP46.1
VIN6
  Bottom 0.406: U25.VIN JP54.1
VIN7
  Bottom 0.406: U29.VIN JP62.1
VIN8
  Bottom 0.406: U33.VIN JP70.1

## Text on the board
Bottom: v12 | v12 | v12 | v12 | v12 | v12 | v12 | v12 | v12
Dimension: Route Out | Route Out | Route Out | Route Out | Route Out | Route Out | Route Out | Route Out | Route Out | Route Out | Route Out | Route Out | Route Out | Route Out | Route Out | Route Out
tPlace: SCL | SDA | AREF | GND | 13 | 12 | 11 | 10 | 9 | 8 | 7 | 6 | 5 | 4 | 3 | 2 | 1 | 0 | SCL | SDA | AREF | GND | 13 | 12 | 11 | 10 | 9 | 8 | 7 | 6 | 5 | 4 | 3 | 2 | 1 | 0 | SCL | SDA | AREF | GND | 13 | 12 | 11 | 10 | 9 | 8 | 7 | 6 | 5 | 4 | 3 | 2 | 1 | 0 | imp Shield | imp Shield | imp Shield | P1 | P1 | P1 | P2 | P2 | P2 | P5 | P5 | P5 | P7 | P7 | P7 | P8 | P8 | P8 | P9 | P9 | P9 | CD | CD | CD | 3V3 | 3V3 | 3V3 | GND | GND | GND | 3V3 | GND | 3V3 | GND | 3V3 | GND | P9 | P9 | P9 | P8 | P8 | P8 | PWR | RST | 3V3 | 5V | GND | GND | VIN | A0 | A1 | A2 | A3 | A4 | A5 | PWR | RST | 3V3 | 5V | GND | GND | VIN | A0 | A1 | A2 | A3 | A4 | A5 | PWR | RST | 3V3 | 5V | GND | GND | VIN | A0 | A1 | A2 | A3 | A4 | A5 | SCL | SDA | AREF | GND | 13 | 12 | 11 | 10 | 9 | 8 | 7 | 6 | 5 | 4 | 3 | 2 | 1 | 0 | SCL | SDA | AREF | GND | 13 | 12 | 11 | 10 | 9 | 8 | 7 | 6 | 5 | 4 | 3 | 2 | 1 | 0 | SCL | SDA | AREF | GND | 13 | 12 | 11 | 10 | 9 | 8 | 7 | 6 | 5 | 4 | 3 | 2 | 1 | 0 | imp Shield | imp Shield | imp Shield | P1 | P1 | P1 | P2 | P2 | P2 | P5 | P5 | P5 | P7 | P7 | P7 | P8 | P8 | P8 | P9 | P9 | P9 | CD | CD | CD | 3V3 | 3V3 | 3V3 | GND | GND | GND | 3V3 | GND | 3V3 | GND | 3V3 | GND | P9 | P9 | P9 | P8 | P8 | P8 | PWR | RST | 3V3 | 5V | GND | GND | VIN | A0 | A1 | A2 | A3 | A4 | A5 | PWR | RST | 3V3 | 5V | GND | GND | VIN | A0 | A1 | A2 | A3 | A4 | A5 | PWR | RST | 3V3 | 5V | GND | GND | VIN | A0 | A1 | A2 | A3 | A4 | A5 | SCL | SDA | AREF | GND | 13 | 12 | 11 | 10 | 9 | 8 | 7 | 6 | 5 | 4 | 3 | 2 | 1 | 0 | SCL | SDA | AREF | GND | 13 | 12 | 11 | 10 | 9 | 8 | 7 | 6 | 5 | 4 | 3 | 2 | 1 | 0 | SCL | SDA | AREF | GND | 13 | 12 | 11 | 10 | 9 | 8 | 7 | 6 | 5 | 4 | 3 | 2 | 1 | 0 | imp Shield | imp Shield | imp Shield | P1 | P1 | P1 | P2 | P2 | P2 | P5 | P5 | P5 | P7 | P7 | P7 | P8 | P8 | P8 | P9 | P9 | P9 | CD | CD | CD | 3V3 | 3V3 | 3V3 | GND | GND | GND | 3V3 | GND | 3V3 | GND | 3V3 | GND | P9 | P9 | P9 | P8 | P8 | P8 | PWR | RST | 3V3 | 5V | GND | GND | VIN | A0 | A1 | A2 | A3 | A4 | A5 | PWR | RST | 3V3 | 5V | GND | GND | VIN | A0 | A1 | A2 | A3 | A4 | A5 | PWR | RST | 3V3 | 5V | GND | GND | VIN | A0 | A1 | A2 | A3 | A4 | A5
bPlace: TX | RX | TX | RX | TX | RX | 9 | 1 | 8 | 0 | 9 | 1 | 8 | 0 | 9 | 1 | 8 | 0 | CD-A0 | CD-A0 | CD-A0 | P9 | P9 | P9 | P8 | P8 | P8 | TX | 9 | 1 | 8 | 0 | RX | TX | 9 | 1 | 8 | 0 | RX | TX | 9 | 1 | 8 | 0 | RX | P9 | CD-A0 | P9 | CD-A0 | P9 | CD-A0 | P8 | P8 | P8 | TX | RX | TX | RX | TX | RX | 9 | 1 | 8 | 0 | 9 | 1 | 8 | 0 | 9 | 1 | 8 | 0 | P9 | CD-A0 | P9 | CD-A0 | P9 | CD-A0 | P8 | P8 | P8